# KiCad board eurovISOn.kicad_pcb (continued)
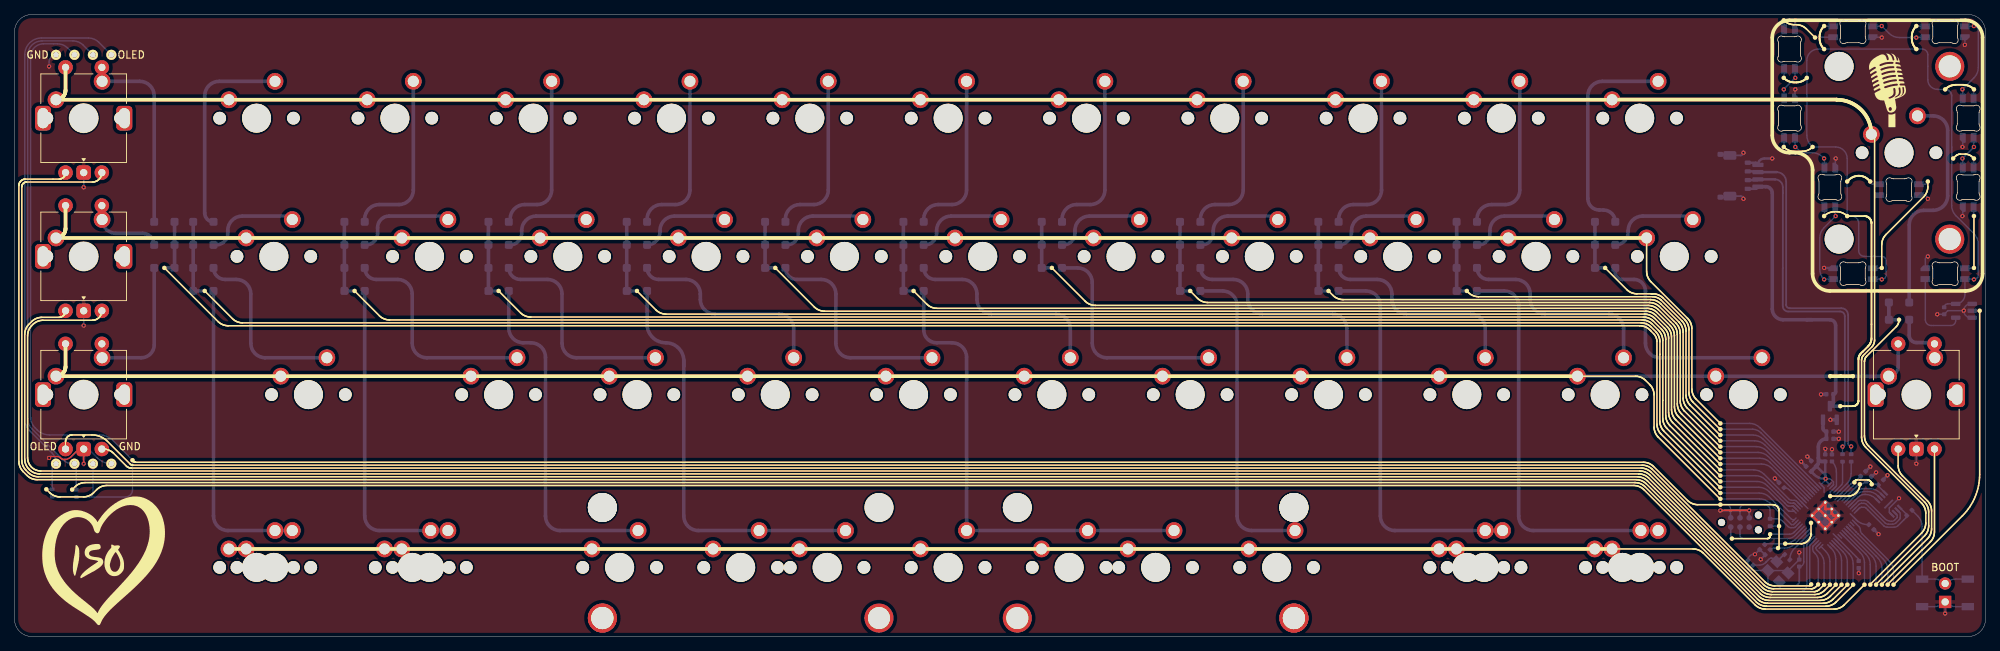
[diagram p0: board, top side]
## Routing (per net, layer and track width the routed paths; a pad name or vN(x,y) marks a point on that pad's centre or on a via; arc(x,y) is an arc through that point) (continued)
Net-(LED5-DOUT): length 8.9
  Top w0.2: v1(243.68,84.92) 243.7,84.91 arc(244.34,84.48) 245.11,84.33 245.38,84.33 arc(246.15,84.17) 246.8,83.74 v1(247.99,82.55)
  Bottom w0.2: v1(247.99,82.55) 248.03,82.59 LED5.2 ; v1(243.68,84.92) 243.73,84.88 LED6.3
Net-(LED6-DOUT): length 4.8
  Bottom w0.2: LED6.2 245.23,77.04 v1(245.27,76.99) v1(243.68,75.41) 243.73,75.36 LED7.3
Net-(LED7-DOUT): length 7
  Bottom w0.2: LED7.2 245.23,67.51 v1(245.27,67.47) 245.48,67.26 arc(246.13,66.83) 246.89,66.67 247.62,66.67 arc(248.38,66.52) 249.03,66.09 v1(249.24,65.88) 249.28,65.84 LED8.3
Net-(LED8-DOUT): length 12.2
  Bottom w0.2: LED8.2 250.78,57.99 v1(250.82,57.94) 249.22,56.34 arc(248.79,55.69) 248.64,54.93 248.64,50.64 arc(248.79,49.88) 249.22,49.23 v1(249.24,49.21) 249.28,49.26 LED9.3
Net-(LED10-DIN): length 17.1
  Top w0.2: v1(263.53,62.71) 263.53,62 arc(263.37,61.24) 262.94,60.59 257.76,55.41 arc(257.33,54.76) 257.18,54 v1(257.18,50.8)
  Bottom w0.2: v1(257.18,50.8) 257.13,50.76 LED9.2 ; LED10.3 263.16,62.34 arc(263.42,62.45) v1(263.53,62.71)

## Copper pours and planes (outline as drawn; the poured copper is in the pictures)
+1V1 on Bottom: 249.99,20.07 250.63,20.72 250.87,20.51 250.24,19.88 250.58,19.46 250.8,19.24 250.4,18.91 252.06,17.18 252.42,16.73 252.54,16.6 250.17,14.3 249.5,13.68 249.19,13.4 247.49,15.24 247.44,15.18 246.9,15.77 247.31,16.17 249.33,14.22 249.43,14.23 250.02,14.7 251.86,16.61 251.77,16.85 249.57,19.05 249.29,19.3
+3V3 on Bottom: 249.99,20.07 250.78,20.84 250.73,23.47 249.88,23.4 249.85,24.6 248.13,24.56 246.63,22.74 249.05,20.5 246.79,18.04 245.46,16.69 246.58,15.53 249.41,12.72 251.46,14.66 253.43,16.67 250.8,19.24 250.4,18.91 252.06,17.18 252.54,16.6 250.17,14.3 249.19,13.4 247.49,15.24 247.44,15.18 246.9,15.77 247.31,16.17 246.94,16.57 247,16.85 247.46,17.28 249.26,19.06 249.29,19.3
GND on Top, Bottom: 277.81,88.9 277.81,-2.38 -3.17,-2.38 -2.38,91.28

## Text on the board
B.Silkscreen: ROT | 1 | 125 | 175 | 3 | 6 | BOOT | DB | Calvin0563 | concept by / the yurp community / of the 40s discord | pcb design by
F.Silkscreen: GND | OLED | BOOT
